# KiCad board travis_erg2024-new6.kicad_pcb (continued)
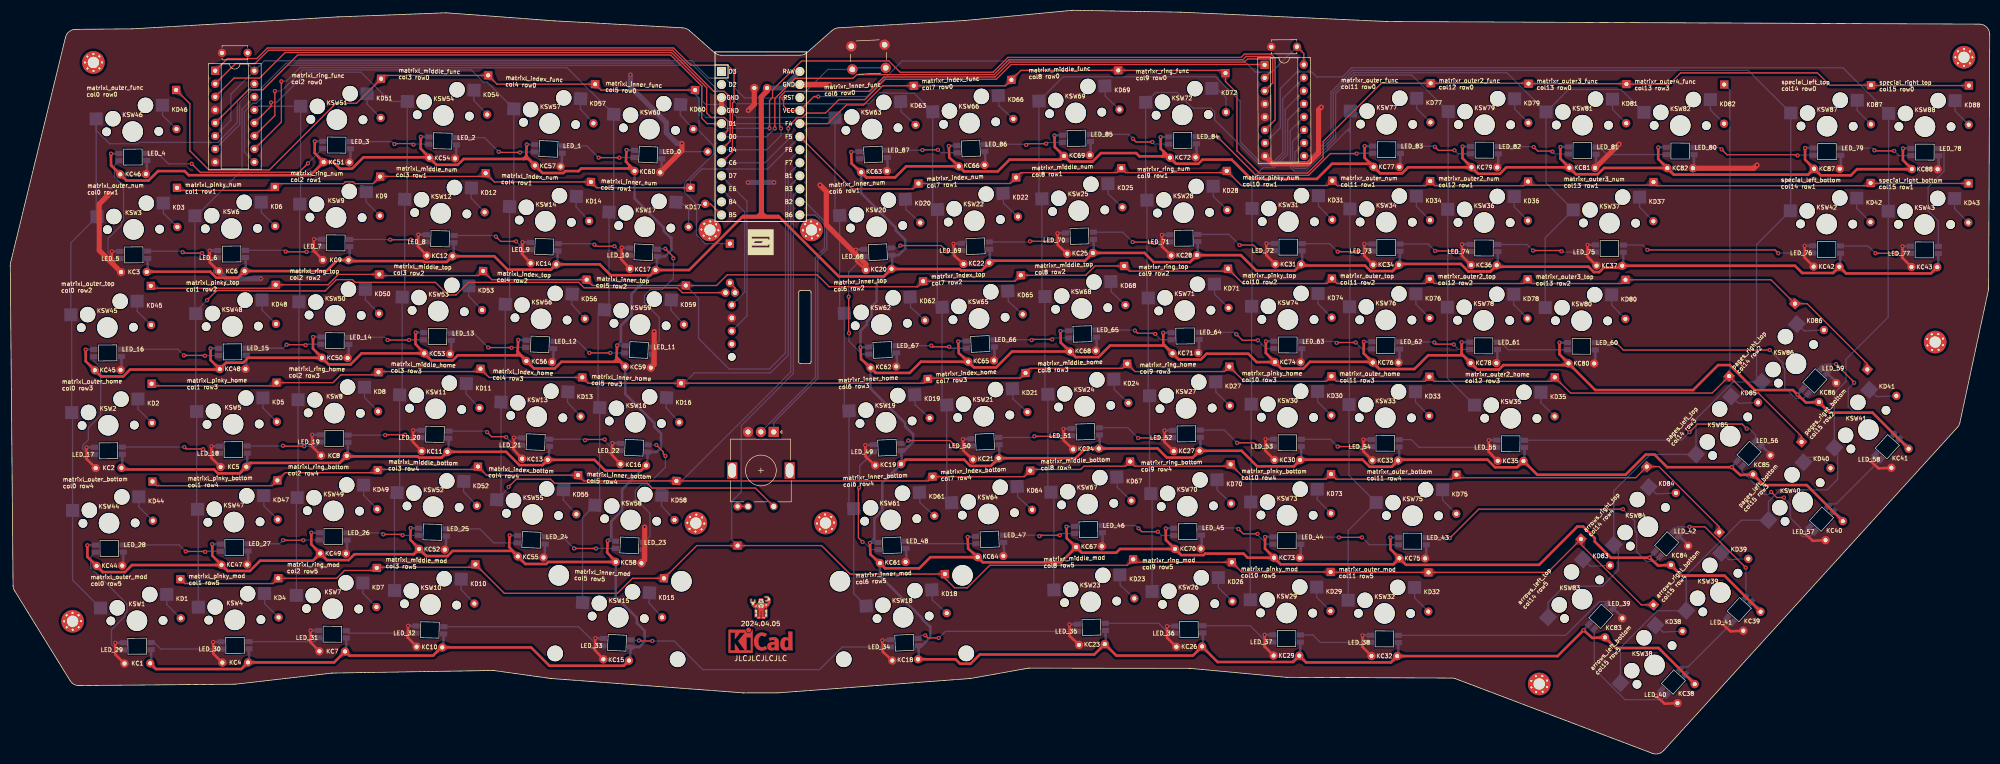
[diagram p0: board, top side]
## Placement (name value [footprint] x y rotation side) (continued)
KSW47  Kailh MX Switch Sockets  [MX]  43.54 45.11 0.5 top
KSW48  Kailh MX Switch Sockets  [MX]  43.21 83.21 0.5 top
KSW49  Kailh MX Switch Sockets  [MX]  62.9 47.28 359.5 top
KSW50  Kailh MX Switch Sockets  [MX]  63.23 85.38 359.5 top
KSW51  Kailh MX Switch Sockets  [MX]  63.57 123.48 359.5 top
KSW52  Kailh MX Switch Sockets  [MX]  82.29 48.11 358.5 top
KSW53  Kailh MX Switch Sockets  [MX]  83.29 86.19 358.5 top
KSW54  Kailh MX Switch Sockets  [MX]  84.29 124.28 358.5 top
KSW55  Kailh MX Switch Sockets  [MX]  101.64 46.6 357.5 top
KSW56  Kailh MX Switch Sockets  [MX]  103.3 84.66 357.5 top
KSW57  Kailh MX Switch Sockets  [MX]  104.97 122.73 357.5 top
KSW58  Kailh MX Switch Sockets  [MX]  120.75 45.51 357.2 top
KSW59  Kailh MX Switch Sockets  [MX]  122.57 83.57 357.2 top
KSW60  Kailh MX Switch Sockets  [MX]  124.4 121.63 357.2 top
KSW61  Kailh MX Switch Sockets  [MX]  171.37 45.52 2.8 top
KSW62  Kailh MX Switch Sockets  [MX]  169.54 83.58 2.8 top
KSW63  Kailh MX Switch Sockets  [MX]  167.71 121.63 2.8 top
KSW64  Kailh MX Switch Sockets  [MX]  190.38 46.69 2.8 top
KSW65  Kailh MX Switch Sockets  [MX]  188.55 84.74 2.8 top
KSW66  Kailh MX Switch Sockets  [MX]  186.73 122.8 2.8 top
KSW67  Kailh MX Switch Sockets  [MX]  209.69 48.61 1.8 top
KSW68  Kailh MX Switch Sockets  [MX]  208.53 86.69 1.8 top
KSW69  Kailh MX Switch Sockets  [MX]  207.37 124.78 1.8 top
KSW70  Kailh MX Switch Sockets  [MX]  229.1 48.2 0.8 top
KSW71  Kailh MX Switch Sockets  [MX]  228.6 86.3 0.8 top
KSW72  Kailh MX Switch Sockets  [MX]  228.1 124.39 0.8 top
KSW73  Kailh MX Switch Sockets  [MX]  248.51 46.45 359.8 top
KSW74  Kailh MX Switch Sockets  [MX]  248.67 84.55 359.8 top
KSW75  Kailh MX Switch Sockets  [MX]  272.92 46.35 359.8 top
KSW76  Kailh MX Switch Sockets  [MX]  267.72 84.47 359.8 top
KSW77  Kailh MX Switch Sockets  [MX]  267.89 122.57 359.8 top
KSW78  Kailh MX Switch Sockets  [MX]  286.77 84.39 359.8 top
KSW79  Kailh MX Switch Sockets  [MX]  286.94 122.48 359.8 top
KSW80  Kailh MX Switch Sockets  [MX]  305.82 84.3 359.8 top
KSW81  Kailh MX Switch Sockets  [MX]  305.99 122.4 359.8 top
KSW82  Kailh MX Switch Sockets  [MX]  325.04 122.32 359.8 top
KSW83  Kailh MX Switch Sockets  [MX]  305.93 30.09 47.8 top
KSW84  Kailh MX Switch Sockets  [MX]  318.74 44.19 47.8 top
KSW85  Kailh MX Switch Sockets  [MX]  334.75 61.82 47.8 top
KSW86  Kailh MX Switch Sockets  [MX]  347.56 75.92 47.8 top
KSW87  Kailh MX Switch Sockets  [MX]  353.61 122.19 359.8 top
KSW88  Kailh MX Switch Sockets  [MX]  372.66 122.11 359.8 top
LOGO1  -  [ergogen]  146.06 99.6 0 top
LOGO2  -  [travis]  146.06 23.56 0 top
MCU1  Arduino Pro Micro  [Arduino_Pro_Micro]  146.06 118.88 0 top
R1  470R  [R_Axial_DIN0207_L6.3mm_D2.5mm_P10.16mm_Horizontal]  135.24 107.09 87.2 bottom
ROT1  EC11  [ec11]  146.06 55.03 270 top
SCR1  EVQWGD001  [evqwgd001]  146.06 83.57 0 top
STAB2u1  -  [Stabilizer_MX_2.00u]  118.3 25.94 177.2 top
STAB2u2  -  [Stabilizer_MX_2.00u]  173.81 25.95 182.8 top
SW1  6mm button  [SW_PUSH_6mm_H4.3mm]  163.68 137.75 2.8 top
SYM1  -  [KiCad-Logo_5mm_Copper]  146.06 21.56 0 top

## Footprints (pads in the part's own frame, mm; a bottom-side part is the same pattern mirrored in y, then rotated)
Arduino_Pro_Micro
  rect 1.753x1.753 hole 1.092: 1(-7.62,13.97)
  round 1.753 hole 1.092: 2(-7.62,11.43) 3(-7.62,8.89) 4(-7.62,6.35) 5(-7.62,3.81) 6(-7.62,1.27) 7(-7.62,-1.27) 8(-7.62,-3.81) 9(-7.62,-6.35) 10(-7.62,-8.89) 11(-7.62,-11.43) 12(-7.62,-13.97) 13(7.62,-13.97) 14(7.62,-11.43) 15(7.62,-8.89) 16(7.62,-6.35) 17(7.62,-3.81) 18(7.62,-1.27) 19(7.62,1.27) 20(7.62,3.81) 21(7.62,6.35) 22(7.62,8.89) 23(7.62,11.43) 24(7.62,13.97)
C_Disc_D4.7mm_W2.5mm_P5.00mm
  round 1.6 hole 0.8: 1(0,0) 2(5,0)
C_Radial_D6.3mm_H11.0mm_P2.50mm
  round 1.6 hole 0.8: 1(0,0) 2(2.5,0)
Diode_DO-35
  rect 1.6x1.6 hole 0.8: 1(0,0)
  oval 1.6x1.6 hole 0.8: 2(7.62,0)
DIP-16_W7.62mm_Socket
  rect 1.6x1.6 hole 0.8: 1(0,0)
  oval 1.6x1.6 hole 0.8: 2(0,-2.54) 3(0,-5.08) 4(0,-7.62) 5(0,-10.16) 6(0,-12.7) 7(0,-15.24) 8(0,-17.78) 9(7.62,-17.78) 10(7.62,-15.24) 11(7.62,-12.7) 12(7.62,-10.16) 13(7.62,-7.62) 14(7.62,-5.08) 15(7.62,-2.54) 16(7.62,0)
ec11
  rect 3.2x2 hole 2.8x1.5: (-0.12,5.64) (-0.12,-5.56)
  round 1.5 hole 1: 1(6.88,2.54) 2(6.88,-2.46)
  rect 2x2 hole 1: A(-7.62,2.54)
  round 2 hole 1: B(-7.62,-2.46) C(-7.62,0.04)
evqwgd001
  round 1.5 hole 1.5 unplated: (-5.625,-6.3)
  round 1.6 hole 0.9: A(-5.625,3.81) B(-5.625,1.27) C(-5.625,-1.27) D(-5.625,-3.81) S1(-6.85,6.2) S2(-5,6.2)
led_SK6812mini-e
  rect 1.4x1 smd: 1(2.7,0.7) 2(2.7,-0.7) 3(-2.7,-0.7) 4(-2.7,0.7)
MountingHole_2.2mm_M2_Pad_Via
  round 0.7 hole 0.4: 1(-1.65,0) 1(-1.167,1.167) 1(-1.167,-1.167) 1(0,1.65) 1(0,-1.65) 1(1.167,1.167) 1(1.167,-1.167) 1(1.65,0)
  round 4.4 hole 2.2: 1(0,0)
MX
  round 1.702 hole 1.702 unplated: (-5.08,0) (5.08,0)
  round 3 hole 3 unplated: (-3.81,2.54) (2.54,5.08)
  round 3.988 hole 3.988 unplated: (0,0)
  rect 2.55x2.5 smd far side: 1(-7.085,2.54) 2(5.842,5.08)
R_Axial_DIN0207_L6.3mm_D2.5mm_P10.16mm_Horizontal
  round 1.6 hole 0.8: 1(0,0)
  oval 1.6x1.6 hole 0.8: 2(10.16,0)
Stabilizer_MX_2.00u
  round 3.048 hole 3.048 unplated: (-11.938,6.985) (11.938,6.985)
  round 3.988 hole 3.988 unplated: (-11.938,-8.225) (11.938,-8.225)
SW_PUSH_6mm_H4.3mm
  round 2 hole 1.1: 1(0,0) 1(6.5,0) 2(0,-4.5) 2(6.5,-4.5)

## Nets
GND: C1.2 C2.2 C3.2 DIP1.4 DIP1.8 DIP2.4 DIP2.5 DIP2.8 KC1.2 KC2.2 KC3.2 KC4.2 KC5.2 KC6.2 KC7.2 KC8.2 KC9.2 KC10.2 KC11.2 KC12.2 KC13.2 KC14.2 KC15.2 KC16.2 KC17.2 KC18.2 KC19.2 KC20.2 KC21.2 KC22.2 KC23.2 KC24.2 KC25.2 KC26.2 KC27.2 KC28.2 KC29.2 KC30.2 KC31.2 KC32.2 KC33.2 KC34.2 KC35.2 KC36.2 KC37.2 KC38.2 KC39.2 KC40.2 KC41.2 KC42.2 KC43.2 KC44.2 KC45.2 KC46.2 KC47.2 KC48.2 KC49.2 KC50.2 KC51.2 KC52.2 KC53.2 KC54.2 KC55.2 KC56.2 KC57.2 KC58.2 KC59.2 KC60.2 KC61.2 KC62.2 KC63.2 KC64.2 KC65.2 KC66.2 KC67.2 KC68.2 KC69.2 KC70.2 KC71.2 KC72.2 KC73.2 KC74.2 KC75.2 KC76.2 KC77.2 KC78.2 KC79.2 KC80.2 KC81.2 KC82.2 KC83.2 KC84.2 KC85.2 KC86.2 KC87.2 KC88.2 KLED1.3 KLED2.3 KLED3.3 KLED4.3 KLED5.3 KLED6.3 KLED7.3 KLED8.3 KLED9.3 KLED10.3 KLED11.3 KLED12.3 KLED13.3 KLED14.3 KLED15.3 KLED16.3 KLED17.3 KLED18.3 KLED19.3 KLED20.3 KLED21.3 KLED22.3 KLED23.3 KLED24.3 KLED25.3 KLED26.3 KLED27.3 KLED28.3 KLED29.3 KLED30.3 KLED31.3 KLED32.3 KLED33.3 KLED34.3 KLED35.3 KLED36.3 KLED37.3 KLED38.3 KLED39.3 KLED40.3 KLED41.3 KLED42.3 KLED43.3 KLED44.3 KLED45.3 KLED46.3 KLED47.3 KLED48.3 KLED49.3 KLED50.3 KLED51.3 KLED52.3 KLED53.3 KLED54.3 KLED55.3 KLED56.3 KLED57.3 KLED58.3 KLED59.3 KLED60.3 KLED61.3 KLED62.3 KLED63.3 KLED64.3 KLED65.3 KLED66.3 KLED67.3 KLED68.3 KLED69.3 KLED70.3 KLED71.3 KLED72.3 KLED73.3 KLED74.3 KLED75.3 KLED76.3 KLED77.3 KLED78.3 KLED79.3 KLED80.3 KLED81.3 KLED82.3 KLED83.3 KLED84.3 KLED85.3 KLED86.3 KLED87.3 KLED88.3 MCU1.3 MCU1.4 MCU1.23 ROT1.B SCR1.B SW1.1
VCC: C2.1 C3.1 DIP1.6 DIP1.16 DIP2.16 MCU1.21
arrows_left_bottom: KD38.2 KSW38.2
arrows_left_top: KD83.2 KSW83.2
arrows_right_bottom: KD39.2 KSW39.2
arrows_right_top: KD84.2 KSW84.2
B4: MCU1.11
col0: DIP1.15 KSW1.1 KSW2.1 KSW3.1 KSW44.1 KSW45.1 KSW46.1
col1: DIP1.14 KSW4.1 KSW5.1 KSW6.1 KSW47.1 KSW48.1 SCR1.S1
col2: DIP1.13 KSW7.1 KSW8.1 KSW9.1 KSW49.1 KSW50.1 KSW51.1
col3: DIP1.12 KSW10.1 KSW11.1 KSW12.1 KSW52.1 KSW53.1 KSW54.1
col4: DIP1.11 KSW13.1 KSW14.1 KSW55.1 KSW56.1 KSW57.1 ROT1.1
col5: DIP1.10 KSW15.1 KSW16.1 KSW17.1 KSW58.1 KSW59.1 KSW60.1
col6: DIP1.9 KSW18.1 KSW19.1 KSW20.1 KSW61.1 KSW62.1 KSW63.1
col7: DIP1.7 KSW21.1 KSW22.1 KSW64.1 KSW65.1 KSW66.1
col8: DIP2.15 KSW23.1 KSW24.1 KSW25.1 KSW67.1 KSW68.1 KSW69.1
col9: DIP2.14 KSW26.1 KSW27.1 KSW28.1 KSW70.1 KSW71.1 KSW72.1
col10: DIP2.13 KSW29.1 KSW30.1 KSW31.1 KSW73.1 KSW74.1
col11: DIP2.12 KSW32.1 KSW33.1 KSW34.1 KSW75.1 KSW76.1 KSW77.1
col12: DIP2.11 KSW35.1 KSW36.1 KSW78.1 KSW79.1
col13: DIP2.10 KSW37.1 KSW80.1 KSW81.1 KSW82.1
col14: DIP2.9 KSW42.1 KSW83.1 KSW84.1 KSW85.1 KSW86.1 KSW87.1
col15: DIP2.7 KSW38.1 KSW39.1 KSW40.1 KSW41.1 KSW43.1 KSW88.1
D2: MCU1.2
D3: MCU1.1
enc_to: D2.2 ROT1.2
encA: MCU1.14 ROT1.A
encC: MCU1.13 ROT1.C
LED: MCU1.12 R1.1
LED_0: KLED60.4 R1.2
LED_1: KLED57.4 KLED60.2
LED_2: KLED54.4 KLED57.2
LED_3: KLED51.4 KLED54.2
LED_4: KLED46.4 KLED51.2
LED_5: KLED3.4 KLED46.2
LED_6: KLED3.2 KLED6.4
LED_7: KLED6.2 KLED9.4
LED_8: KLED9.2 KLED12.4
LED_9: KLED12.2 KLED14.4
LED_10: KLED14.2 KLED17.4
LED_11: KLED17.2 KLED59.4
LED_12: KLED56.4 KLED59.2
LED_13: KLED53.4 KLED56.2
LED_14: KLED50.4 KLED53.2
LED_15: KLED48.4 KLED50.2
LED_16: KLED45.4 KLED48.2
LED_17: KLED2.4 KLED45.2
LED_18: KLED2.2 KLED5.4
LED_19: KLED5.2 KLED8.4
LED_20: KLED8.2 KLED11.4
LED_21: KLED11.2 KLED13.4
LED_22: KLED13.2 KLED16.4
LED_23: KLED16.2 KLED58.4
LED_24: KLED55.4 KLED58.2
LED_25: KLED52.4 KLED55.2
LED_26: KLED49.4 KLED52.2
LED_27: KLED47.4 KLED49.2
LED_28: KLED44.4 KLED47.2
LED_29: KLED1.4 KLED44.2
LED_30: KLED1.2 KLED4.4
LED_31: KLED4.2 KLED7.4
LED_32: KLED7.2 KLED10.4
LED_33: KLED10.2 KLED15.4
LED_34: KLED15.2 KLED18.4
LED_35: KLED18.2 KLED23.4
LED_36: KLED23.2 KLED26.4
LED_37: KLED26.2 KLED29.4
LED_38: KLED29.2 KLED32.4
LED_39: KLED32.2 KLED83.4
LED_40: KLED38.4 KLED83.2
LED_41: KLED38.2 KLED39.4
LED_42: KLED39.2 KLED84.4
LED_43: KLED75.4 KLED84.2
LED_44: KLED73.4 KLED75.2
LED_45: KLED70.4 KLED73.2
LED_46: KLED67.4 KLED70.2
LED_47: KLED64.4 KLED67.2
LED_48: KLED61.4 KLED64.2
LED_49: KLED19.4 KLED61.2
LED_50: KLED19.2 KLED21.4
LED_51: KLED21.2 KLED24.4
LED_52: KLED24.2 KLED27.4
LED_53: KLED27.2 KLED30.4
LED_54: KLED30.2 KLED33.4
LED_55: KLED33.2 KLED35.4
LED_56: KLED35.2 KLED85.4
LED_57: KLED40.4 KLED85.2
LED_58: KLED40.2 KLED41.4
LED_59: KLED41.2 KLED86.4
LED_60: KLED80.4 KLED86.2
LED_61: KLED78.4 KLED80.2
LED_62: KLED76.4 KLED78.2
LED_63: KLED74.4 KLED76.2
LED_64: KLED71.4 KLED74.2
LED_65: KLED68.4 KLED71.2
LED_66: KLED65.4 KLED68.2
LED_67: KLED62.4 KLED65.2
LED_68: KLED20.4 KLED62.2
LED_69: KLED20.2 KLED22.4
LED_70: KLED22.2 KLED25.4
LED_71: KLED25.2 KLED28.4
LED_72: KLED28.2 KLED31.4
LED_73: KLED31.2 KLED34.4
LED_74: KLED34.2 KLED36.4
LED_75: KLED36.2 KLED37.4
LED_76: KLED37.2 KLED42.4
LED_77: KLED42.2 KLED43.4
LED_78: KLED43.2 KLED88.4
LED_79: KLED87.4 KLED88.2
LED_80: KLED82.4 KLED87.2
LED_81: KLED81.4 KLED82.2
LED_82: KLED79.4 KLED81.2
LED_83: KLED77.4 KLED79.2
LED_84: KLED72.4 KLED77.2
LED_85: KLED69.4 KLED72.2
LED_86: KLED66.4 KLED69.2
LED_87: KLED63.4 KLED66.2
matrixl_index_bottom: KD55.2 KSW55.2
matrixl_index_func: KD57.2 KSW57.2
matrixl_index_home: KD13.2 KSW13.2
matrixl_index_num: KD14.2 KSW14.2
matrixl_index_top: KD56.2 KSW56.2
matrixl_inner_bottom: KD58.2 KSW58.2
matrixl_inner_func: KD60.2 KSW60.2
matrixl_inner_home: KD16.2 KSW16.2
matrixl_inner_mod: KD15.2 KSW15.2
matrixl_inner_num: KD17.2 KSW17.2
matrixl_inner_top: KD59.2 KSW59.2
matrixl_middle_bottom: KD52.2 KSW52.2
matrixl_middle_func: KD54.2 KSW54.2
matrixl_middle_home: KD11.2 KSW11.2
matrixl_middle_mod: KD10.2 KSW10.2
matrixl_middle_num: KD12.2 KSW12.2
matrixl_middle_top: KD53.2 KSW53.2
matrixl_outer_bottom: KD44.2 KSW44.2
matrixl_outer_func: KD46.2 KSW46.2
matrixl_outer_home: KD2.2 KSW2.2
matrixl_outer_mod: KD1.2 KSW1.2
matrixl_outer_num: KD3.2 KSW3.2
matrixl_outer_top: KD45.2 KSW45.2
matrixl_pinky_bottom: KD47.2 KSW47.2
matrixl_pinky_home: KD5.2 KSW5.2
matrixl_pinky_mod: KD4.2 KSW4.2
matrixl_pinky_num: KD6.2 KSW6.2
matrixl_pinky_top: KD48.2 KSW48.2
matrixl_ring_bottom: KD49.2 KSW49.2
matrixl_ring_func: KD51.2 KSW51.2
matrixl_ring_home: KD8.2 KSW8.2
matrixl_ring_mod: KD7.2 KSW7.2
matrixl_ring_num: KD9.2 KSW9.2
matrixl_ring_top: KD50.2 KSW50.2
matrixr_index_bottom: KD64.2 KSW64.2
matrixr_index_func: KD66.2 KSW66.2
matrixr_index_home: KD21.2 KSW21.2
matrixr_index_num: KD22.2 KSW22.2
matrixr_index_top: KD65.2 KSW65.2
matrixr_inner_bottom: KD61.2 KSW61.2
matrixr_inner_func: KD63.2 KSW63.2
matrixr_inner_home: KD19.2 KSW19.2
matrixr_inner_mod: KD18.2 KSW18.2
matrixr_inner_num: KD20.2 KSW20.2
matrixr_inner_top: KD62.2 KSW62.2
matrixr_middle_bottom: KD67.2 KSW67.2
matrixr_middle_func: KD69.2 KSW69.2
matrixr_middle_home: KD24.2 KSW24.2
matrixr_middle_mod: KD23.2 KSW23.2
matrixr_middle_num: KD25.2 KSW25.2
matrixr_middle_top: KD68.2 KSW68.2
matrixr_outer2_func: KD79.2 KSW79.2
matrixr_outer2_home: KD35.2 KSW35.2
matrixr_outer2_num: KD36.2 KSW36.2
matrixr_outer2_top: KD78.2 KSW78.2
matrixr_outer3_func: KD81.2 KSW81.2
matrixr_outer3_num: KD37.2 KSW37.2
matrixr_outer3_top: KD80.2 KSW80.2
matrixr_outer4_func: KD82.2 KSW82.2
matrixr_outer_bottom: KD75.2 KSW75.2
matrixr_outer_func: KD77.2 KSW77.2
matrixr_outer_home: KD33.2 KSW33.2
matrixr_outer_mod: KD32.2 KSW32.2
matrixr_outer_num: KD34.2 KSW34.2
matrixr_outer_top: KD76.2 KSW76.2
matrixr_pinky_bottom: KD73.2 KSW73.2
matrixr_pinky_home: KD30.2 KSW30.2
matrixr_pinky_mod: KD29.2 KSW29.2
matrixr_pinky_num: KD31.2 KSW31.2
matrixr_pinky_top: KD74.2 KSW74.2
matrixr_ring_bottom: KD70.2 KSW70.2
matrixr_ring_func: KD72.2 KSW72.2
matrixr_ring_home: KD27.2 KSW27.2
matrixr_ring_mod: KD26.2 KSW26.2
matrixr_ring_num: KD28.2 KSW28.2
matrixr_ring_top: KD71.2 KSW71.2
mux0: DIP1.1 DIP2.1 MCU1.8
mux1: DIP1.2 DIP2.2 MCU1.7
mux2: DIP1.3 DIP2.3 MCU1.6
mux3: DIP1.5 DIP2.6 MCU1.5
pages_left_bottom: KD40.2 KSW40.2
pages_left_top: KD85.2 KSW85.2
pages_right_bottom: KD41.2 KSW41.2
pages_right_top: KD86.2 KSW86.2
RAW: C1.1 KC1.1 KC2.1 KC3.1 KC4.1 KC5.1 KC6.1 KC7.1 KC8.1 KC9.1 KC10.1 KC11.1 KC12.1 KC13.1 KC14.1 KC15.1 KC16.1 KC17.1 KC18.1 KC19.1 KC20.1 KC21.1 KC22.1 KC23.1 KC24.1 KC25.1 KC26.1 KC27.1 KC28.1 KC29.1 KC30.1 KC31.1 KC32.1 KC33.1 KC34.1 KC35.1 KC36.1 KC37.1 KC38.1 KC39.1 KC40.1 KC41.1 KC42.1 KC43.1 KC44.1 KC45.1 KC46.1 KC47.1 KC48.1 KC49.1 KC50.1 KC51.1 KC52.1 KC53.1 KC54.1 KC55.1 KC56.1 KC57.1 KC58.1 KC59.1 KC60.1 KC61.1 KC62.1 KC63.1 KC64.1 KC65.1 KC66.1 KC67.1 KC68.1 KC69.1 KC70.1 KC71.1 KC72.1 KC73.1 KC74.1 KC75.1 KC76.1 KC77.1 KC78.1 KC79.1 KC80.1 KC81.1 KC82.1 KC83.1 KC84.1 KC85.1 KC86.1 KC87.1 KC88.1 KLED1.1 KLED2.1 KLED3.1 KLED4.1 KLED5.1 KLED6.1 KLED7.1 KLED8.1 KLED9.1 KLED10.1 KLED11.1 KLED12.1 KLED13.1 KLED14.1 KLED15.1 KLED16.1 KLED17.1 KLED18.1 KLED19.1 KLED20.1 KLED21.1 KLED22.1 KLED23.1 KLED24.1 KLED25.1 KLED26.1 KLED27.1 KLED28.1 KLED29.1 KLED30.1 KLED31.1 KLED32.1 KLED33.1 KLED34.1 KLED35.1 KLED36.1 KLED37.1 KLED38.1 KLED39.1 KLED40.1 KLED41.1 KLED42.1 KLED43.1 KLED44.1 KLED45.1 KLED46.1 KLED47.1 KLED48.1 KLED49.1 KLED50.1 KLED51.1 KLED52.1 KLED53.1 KLED54.1 KLED55.1 KLED56.1 KLED57.1 KLED58.1 KLED59.1 KLED60.1 KLED61.1 KLED62.1 KLED63.1 KLED64.1 KLED65.1 KLED66.1 KLED67.1 KLED68.1 KLED69.1 KLED70.1 KLED71.1 KLED72.1 KLED73.1 KLED74.1 KLED75.1 KLED76.1 KLED77.1 KLED78.1 KLED79.1 KLED80.1 KLED81.1 KLED82.1 KLED83.1 KLED84.1 KLED85.1 KLED86.1 KLED87.1 KLED88.1 MCU1.24
row0: D1.1 KD46.1 KD51.1 KD54.1 KD57.1 KD60.1 KD63.1 KD66.1 KD69.1 KD72.1 KD77.1 KD79.1 KD81.1 KD87.1 KD88.1 MCU1.20
row1: KD3.1 KD6.1 KD9.1 KD12.1 KD14.1 KD17.1 KD20.1 KD22.1 KD25.1 KD28.1 KD31.1 KD34.1 KD36.1 KD37.1 KD42.1 KD43.1 MCU1.19
row2: KD41.1 KD45.1 KD48.1 KD50.1 KD53.1 KD56.1 KD59.1 KD62.1 KD65.1 KD68.1 KD71.1 KD74.1 KD76.1 KD78.1 KD80.1 KD86.1 MCU1.18
row3: KD2.1 KD5.1 KD8.1 KD11.1 KD13.1 KD16.1 KD19.1 KD21.1 KD24.1 KD27.1 KD30.1 KD33.1 KD35.1 KD40.1 KD82.1 KD85.1 MCU1.17
row4: KD39.1 KD44.1 KD47.1 KD49.1 KD52.1 KD55.1 KD58.1 KD61.1 KD64.1 KD67.1 KD70.1 KD73.1 KD75.1 KD84.1 MCU1.16
row5: D2.1 KD1.1 KD4.1 KD7.1 KD10.1 KD15.1 KD18.1 KD23.1 KD26.1 KD29.1 KD32.1 KD38.1 KD83.1 MCU1.15
RST: MCU1.22 SW1.2
scr_to: D1.2 SCR1.S2
scrA: MCU1.10 SCR1.A
scrC: MCU1.9 SCR1.C
special_left_bottom: KD42.2 KSW42.2
special_left_top: KD87.2 KSW87.2
special_right_bottom: KD43.2 KSW43.2
special_right_top: KD88.2 KSW88.2

Pads without a net: HOLE1 1; HOLE2 1; HOLE3 1; HOLE4 1; HOLE5 1; HOLE6 1; HOLE7 1; HOLE8 1; HOLE9 1; KLED63 2; SCR1 D

## Via types
v1: diameter 0.8, hole 0.4, Top to Bottom, 247 vias

## Routing (per net, layer and track width the routed paths; a pad name or vN(x,y) marks a point on that pad's centre or on a via; arc(x,y) is an arc through that point)
GND: length 541
  Top w0.5: v1(263.35,61.17) 263.34,58.9 KC33.2 ; KC5.2 39.16,57.59 v1(39.14,59.86) ; v1(333.13,25.36) 334.81,23.83 337.3,23.95 ; v1(99.69,99.62) 99.59,97.35 KC14.2 ; v1(224.64,62.93) 224.67,60.66 KC27.2 ; v1(244.3,61.25) 244.29,58.99 KC30.2 ; KC37.2 306.97,96.81 v1(306.98,99.08) ; v1(349.14,42.98) 350.82,41.46 KC40.2 ; KC29.2 244.13,20.89 v1(244.14,23.15) ; KC25.2 203.88,99.07 v1(203.81,101.34) ; v1(320.32,11.26) 322,9.73 KC38.2 ; KC24.2 205.05,60.99 v1(204.98,63.26) ; KC17.2 118.91,96.28 v1(119.02,98.54) ; KC31.2 244.46,97.09 v1(244.47,99.35) ; KC10.2 77.36,22.65 v1(77.42,24.91) ; KC21.2 185.52,58.98 v1(185.41,61.25) ; v1(117.19,60.48) 117.08,58.22 KC16.2 ; v1(169.72,22.1) 169.83,19.84 KC18.2 ; v1(59.1,100.2) 59.08,97.93 KC9.2 ; KC43.2 368.28,96.55 v1(368.29,98.81) ; v1(263.52,99.27) 263.51,97 KC34.2 ; v1(164.57,98.14) 164.68,95.88 KC20.2 ; KC42.2 349.23,96.63 v1(349.24,98.9) ; KC28.2 224.17,98.76 v1(224.14,101.02) ; KC2.2 14.85,57.38 v1(14.83,59.65) ; v1(113.87,22.5) 113.76,20.24 KC15.2 ; v1(263.19,23.07) 263.18,20.8 KC32.2 ; KC6.2 38.83,95.69 v1(38.81,97.96) ; KC1.2 20.44,19.33 v1(20.43,21.59) ; v1(166.4,60.08) 166.5,57.82 KC19.2 ; KC35.2 287.76,58.8 v1(287.77,61.06) ; KC11.2 78.35,60.73 v1(78.41,63) ; KC3.2 19.78,95.53 v1(19.76,97.79) ; v1(39.47,21.76) 39.49,19.49 KC4.2 ; v1(225.14,24.83) 225.17,22.56 KC26.2 ; KC8.2 58.74,59.83 v1(58.76,62.1) ; v1(206.14,25.17) 206.21,22.91 KC23.2 ; v1(58.43,24) 58.41,21.74 KC7.2 ; KC36.2 282.56,96.92 v1(282.57,99.19) ; KC41.2 363.62,55.56 v1(361.95,57.09) ; v1(183.58,99.3) 183.69,97.04 KC22.2 ; v1(79.41,101.08) 79.35,98.82 KC12.2 ; v1(98.02,61.55) 97.93,59.29 KC13.2
  Top w1: C1.2 144.81,126.43 v1(143.64,125.26) ; KC58.2 123.47,37.73 v1(123.47,44.16) ; v1(313.14,118.71) 308.52,114.09 KC81.2 ; v1(339.98,114.62) 339.37,114.01 KC82.2 ; KC59.2 125.33,75.81 v1(125.33,82.21) ; KC3.2 17.31,98.03 17.31,107.03 v1(19.13,108.85) ; KC20.2 166.53,95.33 158.84,103.01 158.84,109.51 v1(157.61,110.73) ; v1(159.44,130.29) 159.42,130.31 MCU1.23 ; DIP2.8 245.68,114.89 252.6,114.89 254.64,116.93 254.64,125.36 v1(255.17,125.9) ; v1(130.71,118.84) 130.71,117.43 KC60.2 ; MCU1.3 MCU1.4
  Bottom w0.5: KLED23.3 206.15,25.18 v1(206.14,25.17) ; KLED71.3 231.41,78.23 KC71.2 ; v1(119.02,98.54) 119.03,98.55 KLED17.3 ; v1(58.76,62.1) 58.77,62.11 KLED8.3 ; KLED85.3 342.56,58.37 KC85.2 ; v1(99.69,99.62) 99.69,99.62 KLED14.3 ; 166.13,98.22 164.57,98.15 v1(164.57,98.14) ; v1(166.4,60.08) 166.4,60.09 167.96,60.17 ; KLED86.3 355.37,72.47 KC86.2 ; KLED47.3 46.31,37.04 KC47.2 ; KC66.2 189.81,114.84 KLED66.3 ; KLED87.3 356.28,114.08 KC87.2 ; v1(263.35,61.17) 263.36,61.18 KLED33.3 ; KLED2.3 14.84,59.65 v1(14.83,59.65) ; KLED28.3 224.15,101.03 v1(224.14,101.02) ; KLED16.3 117.2,60.49 v1(117.19,60.48) ; KLED3.3 19.77,97.8 v1(19.76,97.79) ; KLED42.3 349.25,98.9 v1(349.24,98.9) ; KLED10.3 77.42,24.92 v1(77.42,24.91) ; KC45.2 21.66,74.92 KLED45.3 ; v1(203.81,101.34) 203.82,101.35 KLED25.3 ; KLED76.3 270.39,76.36 KC76.2 ; 126.83,115.84 126.71,113.41 KC60.2 ; KC70.2 231.9,40.14 KLED70.3 ; KLED79.3 289.6,114.37 KC79.2 ; v1(185.41,61.25) 185.42,61.25 KLED21.3 ; KLED81.3 308.65,114.29 KC81.2 ; KLED38.3 320.32,11.27 v1(320.32,11.26) ; KLED27.3 224.65,62.93 v1(224.64,62.93) ; 65.55,41.6 65.53,39.16 KC49.2 ; KLED48.3 45.98,75.14 KC48.2 ; KLED61.3 174.45,37.56 KC61.2 ; KLED29.3 244.14,23.16 v1(244.14,23.15) ; KLED58.3 123.05,37.29 KC58.2 ; v1(306.98,99.08) 306.99,99.09 308.55,99.08 ; KLED78.3 289.44,76.27 KC78.2 ; KLED52.3 84.78,39.94 KC52.2 ; KC83.2 313.74,26.65 KLED83.3 ; KC59.2 124.88,75.35 KLED59.3 ; v1(98.02,61.55) 98.03,61.56 KLED13.3 ; KLED84.3 326.55,40.75 KC84.2 ; KLED82.3 327.7,114.21 KC82.2 ; KC55.2 103.99,38.39 KLED55.3 ; KLED51.3 66.2,115.35 KC51.2 ; KLED15.3 113.87,22.51 v1(113.87,22.5) ; v1(169.72,22.1) 169.73,22.11 KLED18.3 ; KLED41.3 361.95,57.1 v1(361.95,57.09) ; KLED5.3 39.15,59.87 v1(39.14,59.86) ; 308.5,78.63 308.49,76.19 KC80.2 ; v1(349.14,42.98) 349.14,42.99 KLED40.3 ; KC54.2 86.77,116.11 KLED54.3 ; KLED88.3 375.33,114 375.13,113.8 ; KLED53.3 85.78,78.03 KC53.2 ; 275.38,38.03 275.58,38.23 KLED75.3 ; KC72.2 230.91,116.33 KLED72.3 ; KC69.2 210.31,116.76 KLED69.3 ; KC64.2 193.47,38.72 KLED64.3 ; KC67.2 212.64,40.6 KLED67.3 ; v1(244.47,99.35) 244.48,99.36 KLED31.3 ; KLED56.3 105.65,76.45 KC56.2 ; v1(59.1,100.2) 59.1,100.2 KLED9.3 ; KC63.2 170.8,113.67 KLED63.3 ; v1(263.19,23.07) 263.19,23.08 KLED32.3 ; KLED7.3 58.44,24.01 v1(58.43,24) ; KLED34.3 263.53,99.28 v1(263.52,99.27) ; KLED36.3 282.58,99.19 v1(282.57,99.19) ; v1(39.47,21.76) 39.48,21.77 KLED4.3 ; v1(333.13,25.36) 333.13,25.37 KLED39.3 ; KC50.2 65.86,77.26 KLED50.3 ; KLED43.3 368.3,98.82 v1(368.29,98.81) ; KLED22.3 183.59,99.31 v1(183.58,99.3) ; v1(79.41,101.08) 79.42,101.09 80.98,101.05 ; KLED65.3 191.64,76.78 KC65.2 ; v1(78.41,63) 78.42,63 KLED11.3 ; KC44.2 22,36.83 KLED44.3 ; KC62.2 172.62,75.62 KLED62.3 ; KLED46.3 26.59,113.07 KC46.2 ; KC73.2 251.17,38.34 KLED73.3 ; KLED6.3 38.82,97.96 v1(38.81,97.96) ; KLED77.3 270.55,114.46 KC77.2 ; KC68.2 211.48,78.68 KLED68.3 ; KLED1.3 20.43,21.6 v1(20.43,21.59) ; v1(287.77,61.06) 287.77,61.07 KLED35.3 ; KLED30.3 244.31,61.26 v1(244.3,61.25) ; KC74.2 251.34,76.44 KLED74.3 ; v1(225.14,24.83) 225.14,24.84 KLED26.3 ; v1(204.98,63.26) 204.99,63.26 KLED24.3 ; KLED57.3 107.31,114.52 KC57.2
  Bottom w1: v1(130.71,118.84) 129.76,118.84 127.69,120.9 127.69,122.89 120.71,129.87 v1(120.71,132.2) ; 39.9,93.94 KC6.2 42.07,92.48 48.74,92.48 v1(48.77,92.52) ; v1(148.65,111.24) v1(143.57,111.24)
VCC: length 239.5
  Top w0.25: v1(150.5,127.6) 150.5,126.15 151.42,125.23 MCU1.21 156.4,127.95 v1(157.26,127.95) ; DIP2.16 251.76,136.34 C3.1
  Bottom w0.25: v1(150.5,127.6) 150.4,127.7 142.91,127.7 139.1,131.51 136.04,131.51 132.6,134.95 49.48,134.95 DIP1.16 ; C2.1 46.2,134.29 DIP1.16 ; DIP1.6 42.93,123.33 42.93,128.41 DIP1.16 ; C3.1 245.49,132.72 242.37,132.72 240.2,134.89 173.59,134.89 166.66,127.95 v1(157.26,127.95)
arrows_left_bottom: length 5.8
  Bottom w0.25: KD38.2 321.67,23.69 KSW38.2
arrows_left_top: length 5.8
  Bottom w0.25: KSW83.2 307.57,36.49 KD83.2
arrows_right_bottom: length 5.8
  Bottom w0.25: KSW39.2 334.48,37.79 KD39.2
arrows_right_top: length 5.8
  Bottom w0.25: KD84.2 320.38,50.59 KSW84.2
col0: length 141.2
  Bottom w0.25: DIP1.15 44.2,127.14 44.2,122.9 40.34,119.04 25.07,119.04 24.8,118.78 19.33,118.78 16.72,121.39 KSW46.1 16.72,104.74 KSW3.1 11.79,99.48 KSW45.1 11.95,85.31 KSW2.1 12.12,66.26 KSW44.1 12.12,33.8 KSW1.1
col1: length 213.8
  Top w0.25: SCR1.S1 130.82,89.77 129.87,90.73 111.69,90.73 110.64,91.78 89.19,91.78 86.74,89.33 85.19,89.33 82.73,91.78 67.12,91.78 66.6,92.31 63.48,92.31 61.29,90.12 46.55,90.12 46.48,90.19 40.17,90.19 v1(38.28,88.31)
  Bottom w0.25: KSW4.1 36.6,47.43 KSW47.1 36.26,47.76 KSW5.1 36.1,66.81 KSW48.1 ; KSW48.1 36.1,86.12 v1(38.28,88.31) ; KSW48.1 35.93,85.86 KSW6.1 36.2,104.74 45.1,113.64 45.1,125.5 DIP1.14
col2: length 104.9
  Bottom w0.25: DIP1.13 48.22,126.08 KSW51.1 56.5,107.2 KSW9.1 56.34,88.15 KSW50.1 56.17,69.1 KSW8.1 56.01,50.05 KSW49.1 55.67,49.72 KSW7.1
col3: length 132.9
  Top w0.25: v1(50.77,126.8) 50.77,126.08 DIP1.12
  Bottom w0.25: v1(50.77,126.8) 51.81,126.8 57.71,132.7 68.24,132.7 73.94,127.01 KSW54.1 77.27,108.46 KSW12.1 76.77,89.42 KSW53.1 76.27,70.37 KSW11.1 75.78,51.33 KSW52.1 74.78,50.33 KSW10.1
col4: length 197.2
  Top w0.25: v1(51.49,129.02) 51.49,124.27 DIP1.11 ; ROT1.1 145.02,51.73 124.92,51.73 123.98,52.67 105.95,52.67 105.16,53.46 98.48,53.46 v1(96.98,51.96)
  Bottom w0.25: v1(51.49,129.02) 52.76,129.02 56.89,133.15 89.73,133.15 92.06,130.81 92.76,130.81 KSW57.1 98,107.37 KSW14.1 97.17,88.34 KSW56.1 96.34,69.31 KSW13.1 95.51,50.28 KSW55.1 96.98,51.75 v1(96.98,51.96)
col5: length 182.8
  Top w0.25: DIP1.10 52.76,123 v1(52.76,130.93)
  Bottom w0.25: v1(52.76,130.93) 53.71,130.93 56.39,133.6 108.35,133.6 KSW60.1 117.45,106.39 KSW17.1 116.53,87.36 KSW59.1 114.41,85.23 114.41,67.72 KSW16.1 114.71,49.3 KSW58.1 111.38,45.98 KSW15.1
col6: length 233.5
  Bottom w0.25: KSW18.1 164.17,31.18 KSW61.1 163.25,48.63 KSW19.1 162.34,67.66 KSW62.1 161.43,86.69 KSW20.1 160.51,105.72 KSW63.1 157.97,123.83 157.91,123.89 141.47,123.89 138.93,126.43 135.36,126.43 134.64,127.16 134.64,129.95 130.54,134.05 53.93,134.05 48.87,129 48.87,127.68 47.86,126.66 47.21,126.66 45.57,125.02 45.57,117.13 DIP1.9
col7: length 232.5
  Bottom w0.25: KSW64.1 182.27,49.8 KSW21.1 181.36,68.82 KSW65.1 180.44,87.85 KSW22.1 179.53,106.88 KSW66.1 175.9,128.62 170.63,128.62 170.54,128.72 169.24,128.72 167.09,126.57 141.35,126.57 138.94,128.97 137.94,128.97 132.41,134.5 53.74,134.5 48.41,129.17 46.92,129.17 44.65,126.91 44.65,122.51 DIP1.7
col8: length 174.5
  Bottom w0.25: KSW23.1 203.12,50.35 KSW67.1 201.95,51.52 KSW24.1 201.37,70.56 KSW68.1 200.79,89.6 KSW25.1 200.21,108.64 KSW69.1 204.92,131.81 234.61,131.81 239.35,127.06 239.35,119.14 243.4,115.09 245.71,115.09 247.69,117.08 247.66,117.11 247.66,127.51 DIP2.15
col9: length 145.1
  Bottom w0.25: DIP2.14 248.14,125.45 248.14,116.88 245.9,114.64 243.21,114.64 234.41,123.45 234.41,124.97 233.66,125.72 230.13,125.72 227.09,128.76 222.9,128.76 KSW72.1 220.98,108.04 KSW28.1 221.23,88.99 KSW71.1 221.48,69.95 KSW27.1 221.73,50.9 KSW70.1 222.23,50.4 KSW26.1
col10: length 102.2
  Bottom w0.25: KSW29.1 241.35,48.94 KSW73.1 241.52,49.11 KSW30.1 241.6,68.16 KSW74.1 241.68,87.21 KSW31.1 241.68,111.95 243.87,114.14 246.06,114.14 248.63,116.72 248.63,123.39 DIP2.13
col11: length 131.4
  Bottom w0.25: 260.06,121.26 260.11,121.31 260.45,121.31 ; 260.06,121.26 260.81,122.01 KSW77.1 260.81,121.68 ; 260.06,121.26 252.3,113.5 249.84,113.5 249.13,114.21 249.13,121.33 DIP2.12 ; KSW32.1 260.4,43.47 KSW75.1 260.57,54.2 KSW33.1 260.65,68.07 KSW76.1 260.73,87.12 KSW34.1 260.81,106.17 260.81,120.89 ; 260.55,121.41 260.81,121.15 260.81,121.02 ; 260.55,121.41 260.81,121.68 ; 260.55,121.41 260.45,121.31 ; 260.81,121.02 260.52,121.31 260.45,121.31 ; 260.81,121.02 260.81,120.89 ; 260.81,121.68 260.81,120.89
col12: length 113.5
  Bottom w0.25: DIP2.11 249.58,119.23 249.58,114.42 250.04,113.95 252.12,113.95 257.95,119.79 257.95,128.47 261.64,132.16 272.76,132.16 KSW79.1 279.86,106.09 KSW36.1 279.78,87.04 KSW78.1 279.7,73.16 KSW35.1
col13: length 135.1
  Bottom w0.25: KSW81.1 291.28,132.61 261.45,132.61 257.5,128.66 257.5,119.97 251.93,114.4 250.23,114.4 250.03,114.6 250.03,117.13 DIP2.10 ; KSW81.1 303.29,129.35 313.51,129.35 KSW82.1 ; KSW81.1 298.91,111.18 KSW37.1 298.75,100.45 KSW80.1
col14: length 242.3
  Bottom w0.25: DIP2.9 253.28,116.39 257.05,120.16 257.05,128.86 261.25,133.06 338.24,133.06 KSW87.1 346.54,105.8 KSW42.1 339.88,99.14 339.88,73.42 KSW86.1 335.31,72.39 328.1,65.18 KSW85.1 319.18,58.28 312.09,51.19 KSW84.1 312.98,39.77 312.98,35.75 309.86,32.63 302.48,32.63 299.29,29.43 KSW83.1
col15: length 281.3
  Bottom w0.25: KSW38.1 313.39,20.64 320.59,27.85 KSW39.1 326.19,34.74 336.93,45.48 KSW40.1 342.21,49.11 344.48,51.38 349.83,51.38 349.84,51.37 353.6,51.37 355.68,53.46 355.68,58.91 KSW41.1 355.01,70.23 357.28,72.5 357.28,76.8 365.51,85.02 KSW43.1 365.59,105.72 KSW88.1 356.7,133.57 261.1,133.57 259.33,131.79 254.28,131.79 253.32,132.75 250.42,132.75 247.21,129.54 247.21,121.89 DIP2.7
enc_to: length 2
  Top w0.25: ROT1.2 D2.2
encA: length 51.9
  Bottom w0.25: MCU1.14 154.7,107.45 158.93,103.21 158.93,98.24 157.17,96.48 157.17,74.24 157.18,74.23 157.18,73.1 148.6,64.52 ROT1.A
encC: length 51.1
  Bottom w0.25: MCU1.13 156.6,104.91 158.46,103.04 158.46,98.4 156.72,96.66 156.72,73.28 ROT1.C
LED: length 4.1
  Top w0.25: R1.1 136.26,107.09 MCU1.12
LED_0: length 8.8
  Bottom w0.25: KLED60.4 126.9,117.24 R1.2
LED_1: length 14.9
  Top w0.25: v1(114.51,116.07) v1(118.55,116.07)
  Bottom w0.25: v1(114.51,116.07) 112.22,118.35 KLED57.4 ; KLED60.2 118.58,116.1 v1(118.55,116.07)
LED_2: length 16.4
  Top w0.25: v1(99.22,117.08) 95.18,117.08 v1(95.05,117.21)
  Bottom w0.25: KLED57.2 99.7,117.19 99.6,117.08 v1(99.22,117.08) ; KLED54.4 92.31,119.95 v1(95.05,117.21)
LED_3: length 15.6
  Top w0.25: v1(78.49,118.61) 78.29,118.81 74.86,118.81 v1(74.76,118.71)
  Bottom w0.25: v1(78.49,118.61) 78.58,118.69 KLED54.2 ; v1(74.76,118.71) 74.27,119.19 KLED51.4
